# Altium PCB Tango V1.0.PcbDoc (part 1 of 3)
Units mm, origin at the board's own origin, x right, y up, seen from the top; angles counter-clockwise.
Board outline 150.29 x 75.25 mm, 4 copper layers (Top Layer, GND, VCC, Bottom Layer), stack 0.914 mm thick; 182 components, 171 nets, 697 pads, 545 vias.
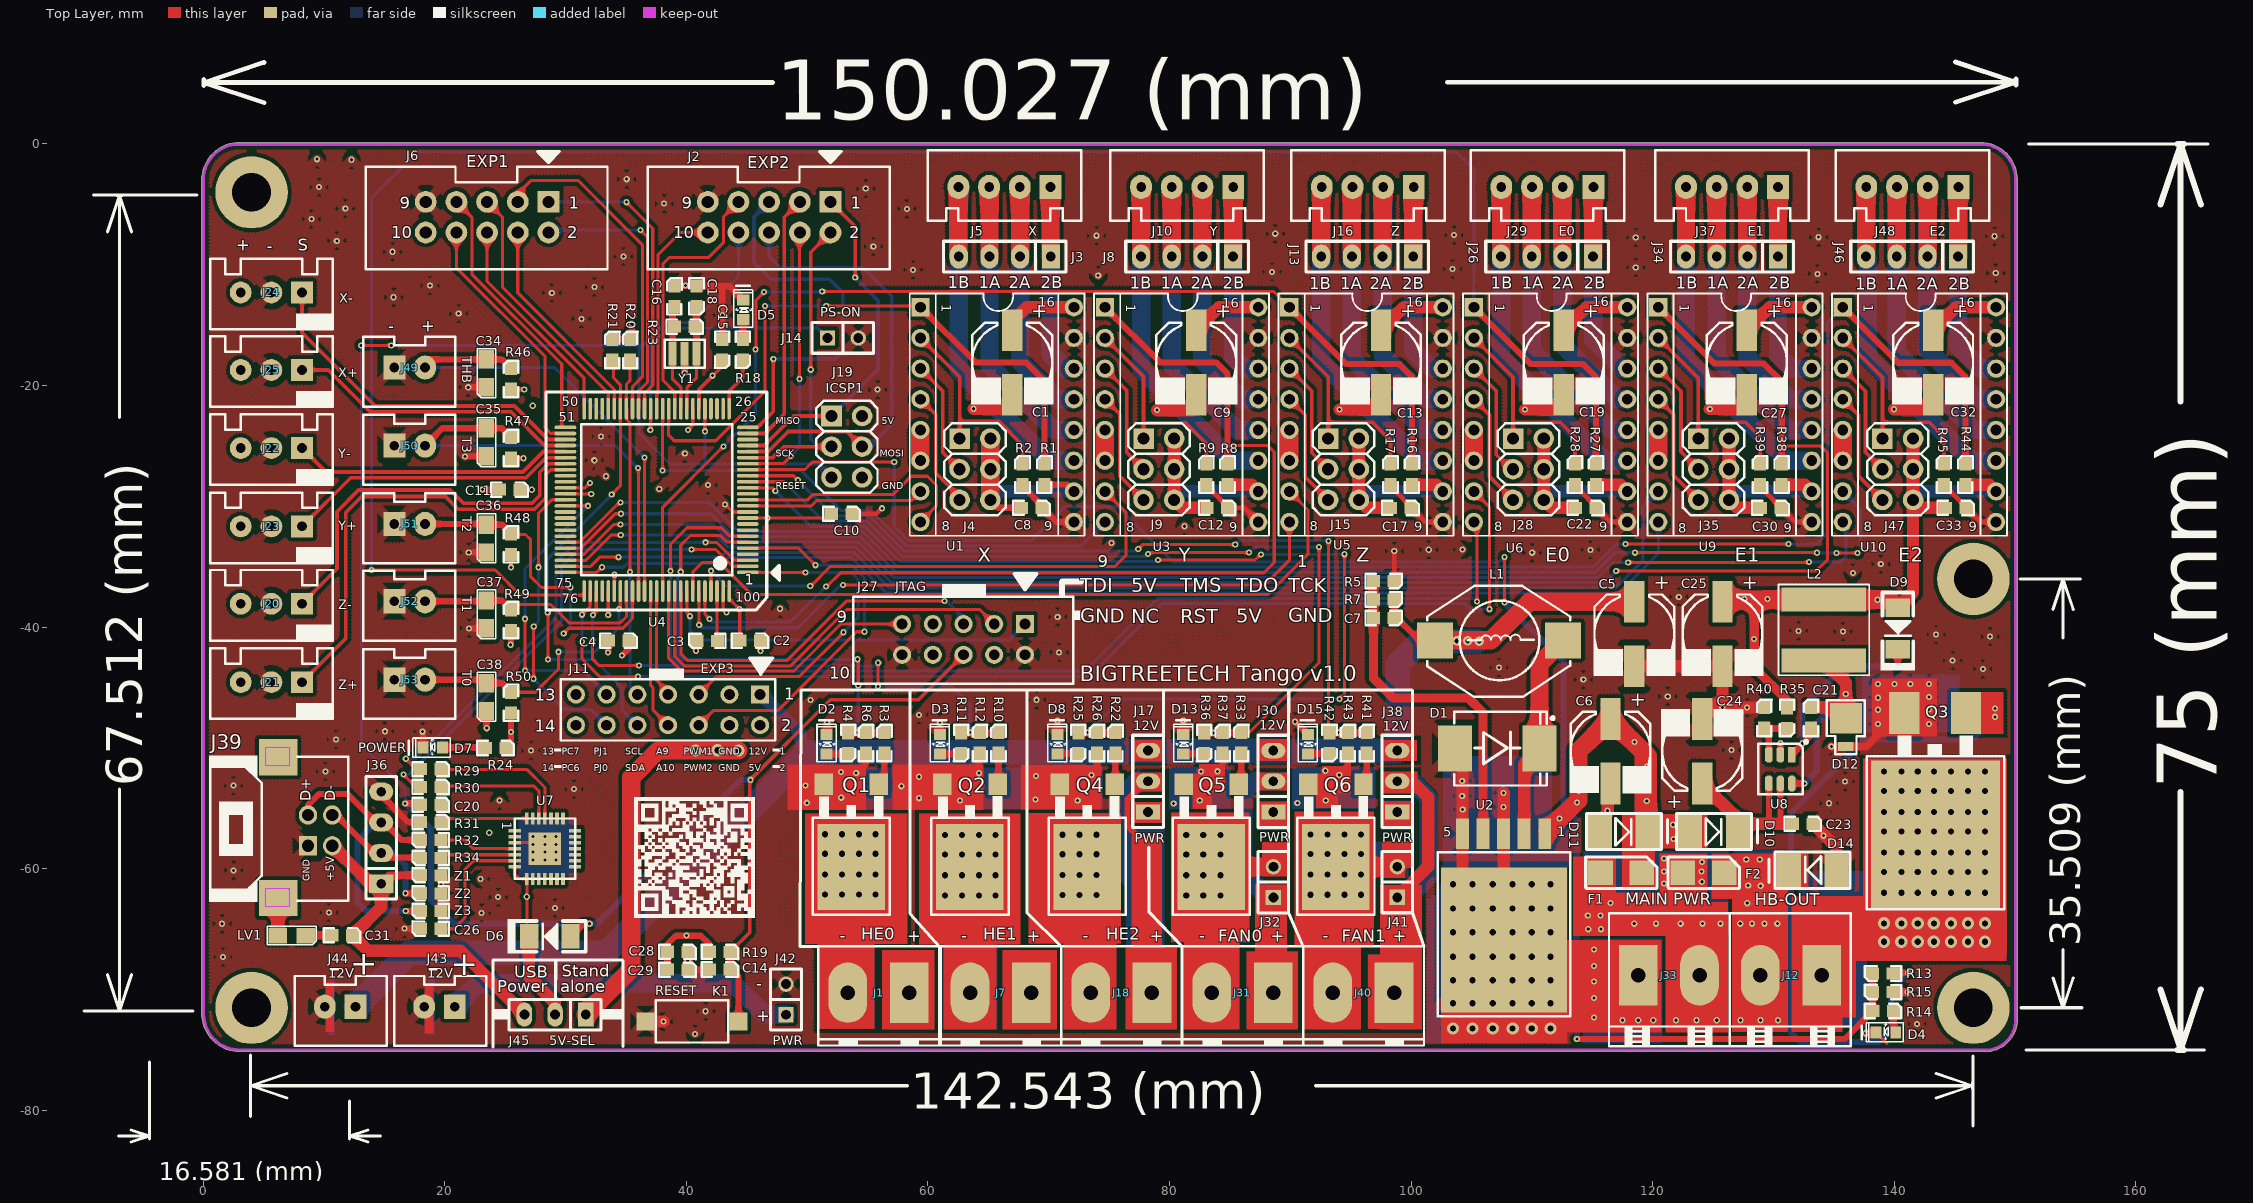
[diagram p0: Top Layer view]
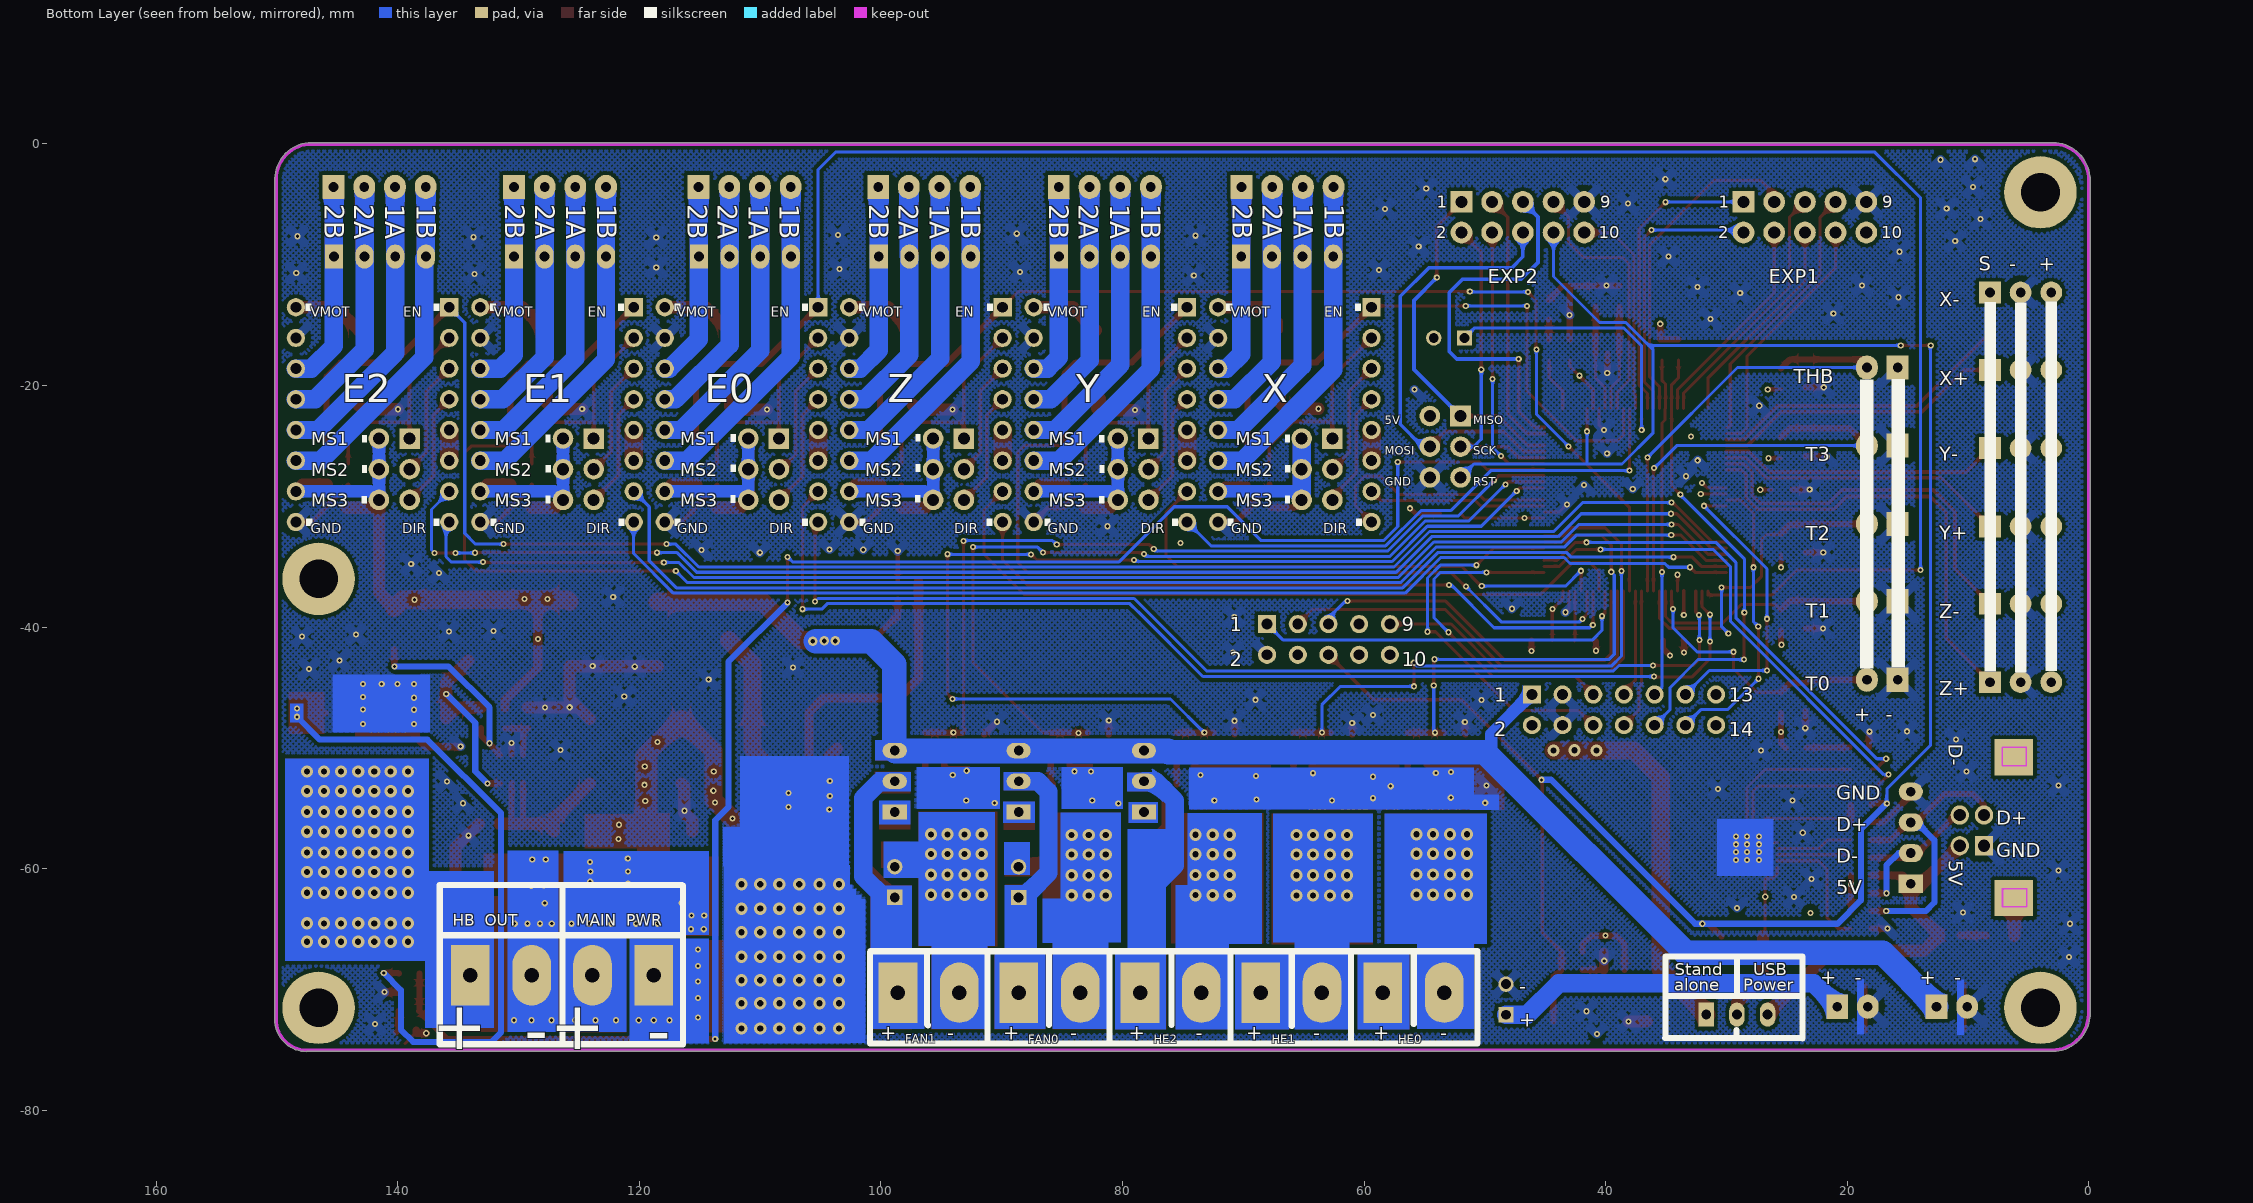
[diagram p1: Bottom Layer view, seen from below]
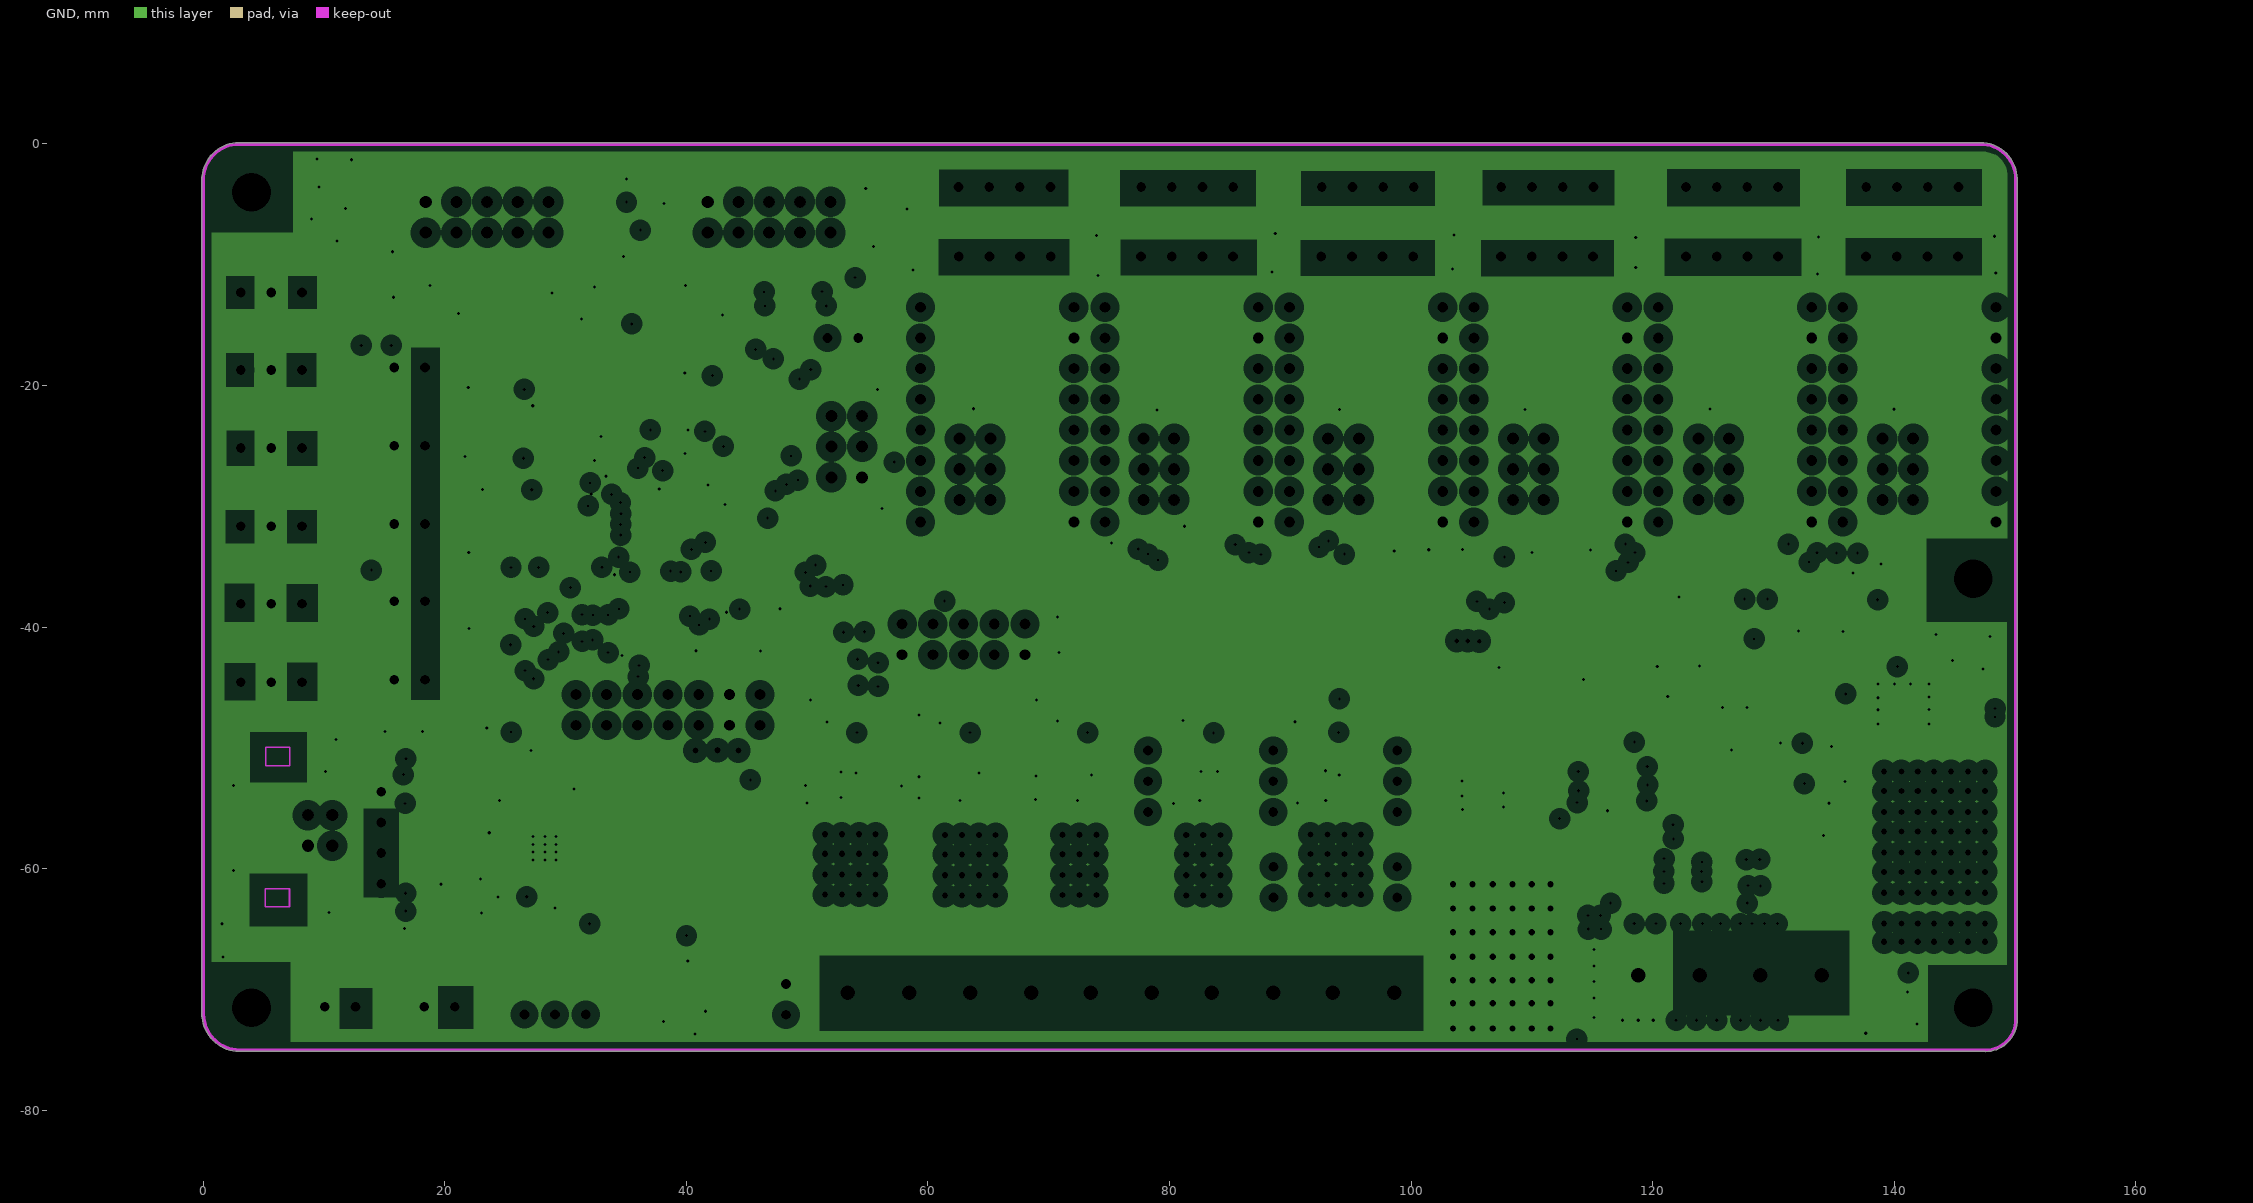
[diagram p2: GND, clearances drawn from the general rule]
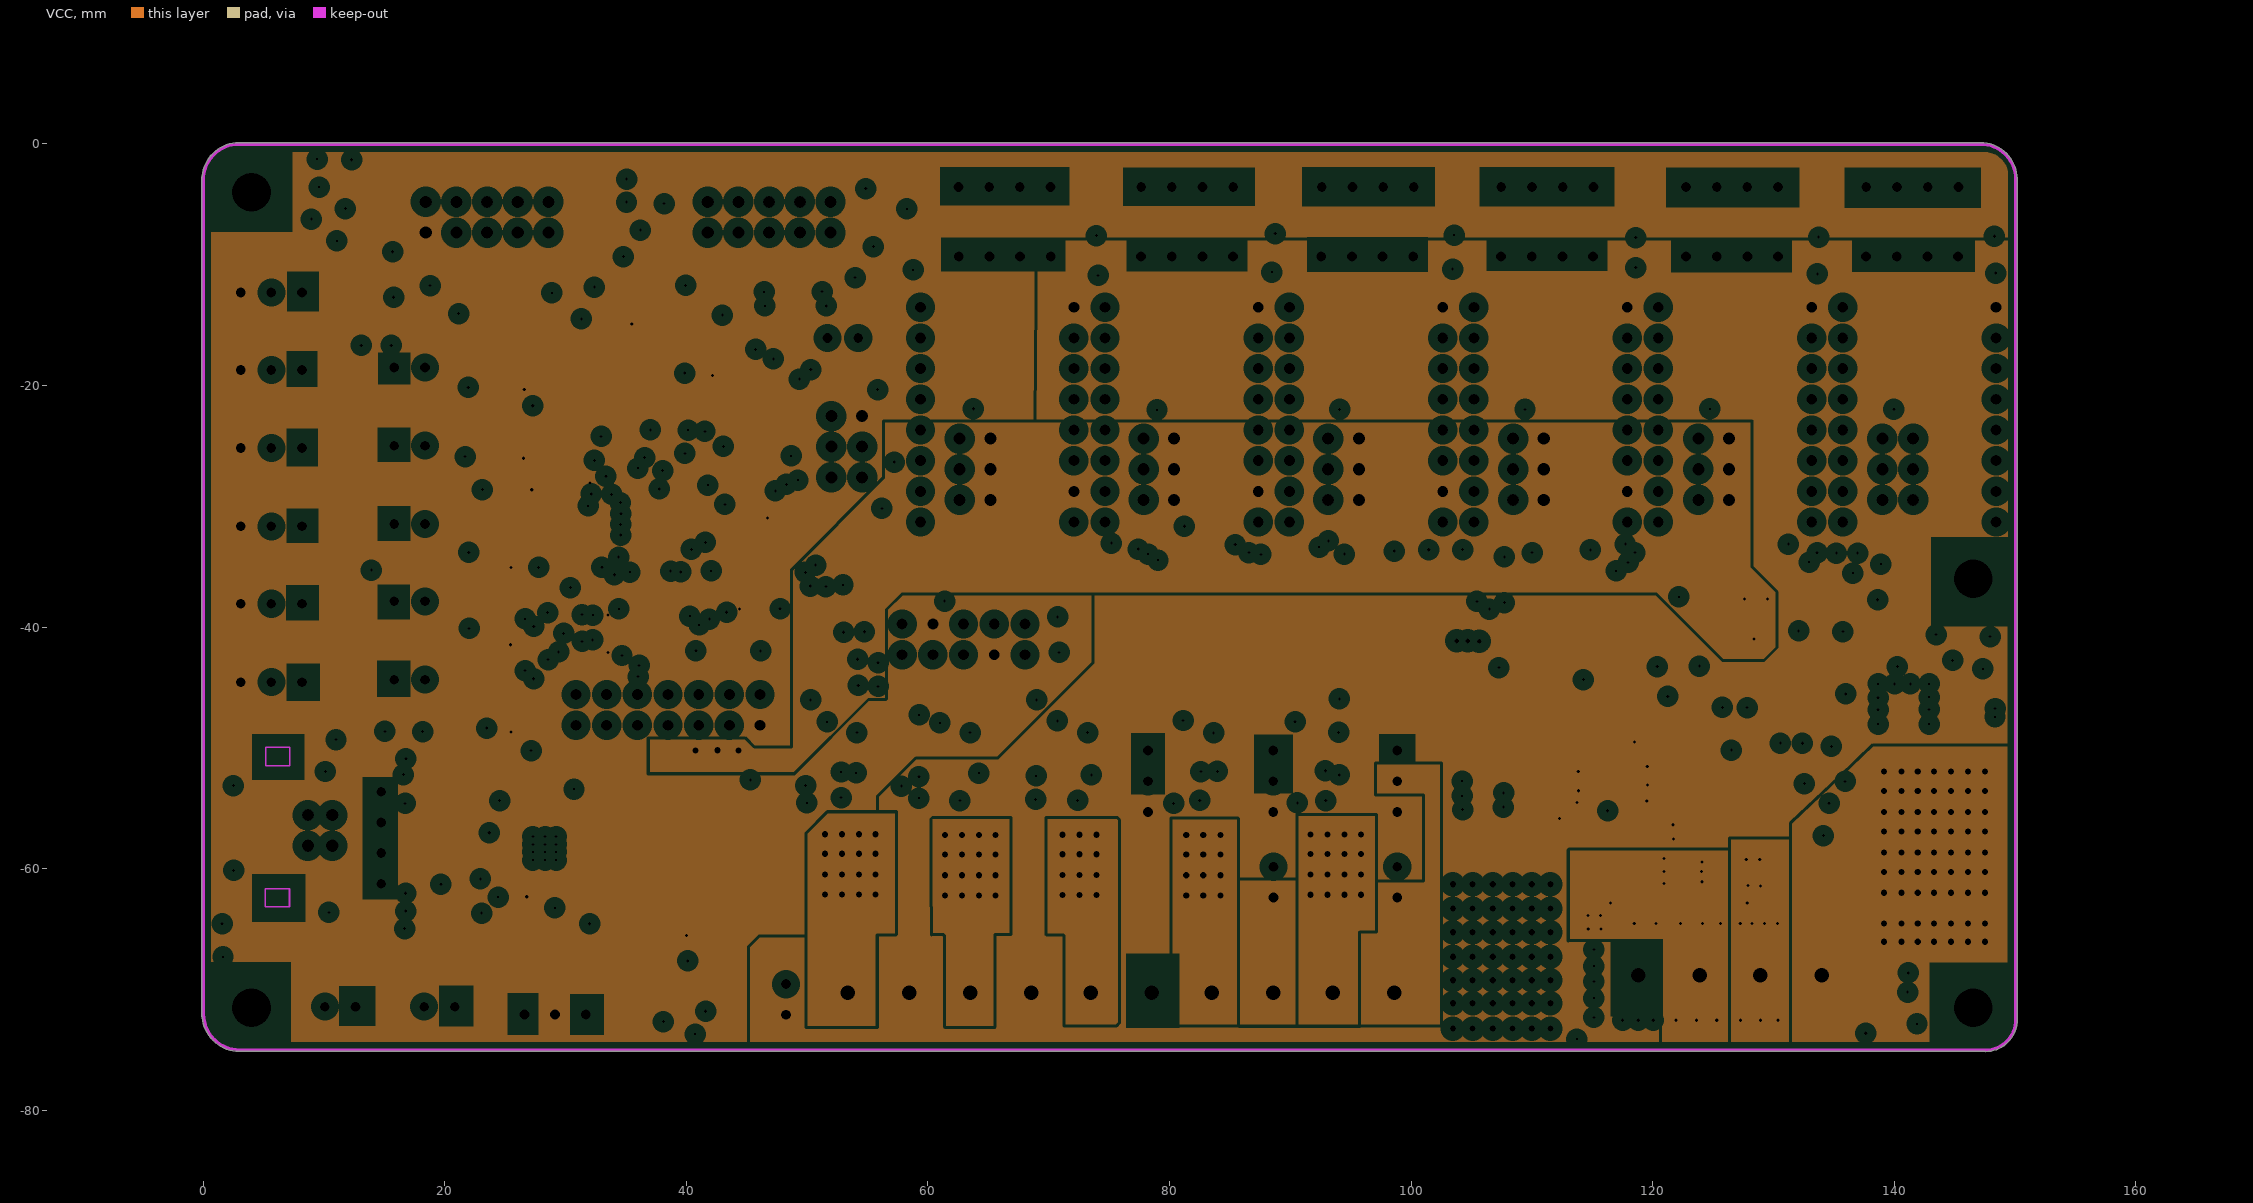
[diagram p3: VCC, clearances drawn from the general rule]

## Layer stack, top to bottom
Top Solder: solder mask 0.0102, Solder Resist, Dk 3.5
Top Layer: signal copper 0.0356
Dielectric 1: core 0.254, FR-4, Dk 4.2
GND: plane copper 0.0406, net GND
Dielectric 2: prepreg 0.254, FR-4, Dk 4.2
VCC: plane copper 0.0406, net (Multiple Nets)
Dielectric 3: core 0.254, FR-4, Dk 4.2
Bottom Layer: signal copper 0.0356
Bottom Solder: solder mask 0.0102, Solder Resist, Dk 3.5

## Board outline
-0.081,-72.309 ccw(c2.996,-72.028) 2.717,-75.105 ccw(c2.787,-74.999) 2.787,-75.126 147.498,-75.126 ccw(c147.543,-75.006) 147.543,-75.134 ccw(c147.529,-72.481) 150.182,-72.481 ccw(c147.529,-72.481) 150.182,-72.468 150.177,-2.912 ccw(c150.05,-2.912) 150.165,-2.858 ccw(c147.148,-2.912) 147.148,0.105 ccw(c147.148,-2.912) 147.132,0.105 147.148,0.105 3.023,0.105 ccw(c2.969,-0.01) 2.968,0.117 ccw(c2.984,-2.972) -0.09,-2.669 ccw(c0.021,-2.731) -0.106,-2.731 -0.106,-72.232 ccw(c0.021,-72.232)

## Design rules (kind name [scope] priority, off if disabled: settings)
Clearance [All] p1: gap=0.152 ignorepadtopadclearanceinfootprint=FALSE except(0: Arc-Hole Track-Hole SMDPad-Hole THPad-Hole Via-Hole Fill-Hole Poly-Hole Region-Hole Text-Hole)
PlaneClearance [All] p1: clearance=0.762
PlaneConnect [All] p1: planeconnectstyle=Relief reliefexpansion=0.508 reliefentries=4 reliefconductorwidth=0.762 reliefairgap=0.508
PolygonConnect [All] p1: connectstyle=Relief reliefconductorwidth=0.762 reliefentries=4 polygonreliefangle="45 Angle" airgapwidth=0.508
RoutingVias [All] p1: holewidth=0.508 width=0.508 viastyle="Through Hole" minholewidth=0.254 minwidth=0.254 maxholewidth=1.27 maxwidth=0.508
SolderMaskExpansion [All] p1: expansion=0.102
Width [All] p1: maxlimit=2.54 minlimit=0.254 preferedwidth=0.508
28 further rules are at their usual default settings.

## Components (designator, comment, footprint, x,y, rotation, side; value= is the part's Value field where it differs from the comment)
C1 "35V/100UF" 35V/100UF-2 66.93,-18.209 r0 top
C2 "0.1UF" 0603N#1 44.46,-41.076 r0 top
C3 "0.1UF" 0603N#1 42.532,-41.177 r180 top
C4 "0.1UF" 0603N#1 33.569,-41.076 r0 top
C5 "35V/100UF" 35V/100UF-2 118.441,-40.694 r0 top
C6 "35V/100UF" 35V/100UF-2 116.462,-50.389 r0 top
C7 "0.1UF" 0603N#2 96.926,-39.287 r0 top
C8 "0.1UF" 0603N#1 67.778,-30.08 r0 top
C9 "35V/100UF" 35V/100UF-2 82.165,-18.209 r0 top
C10 "0.1UF" 0603N#1 52.047,-30.574 r0 top
C11 "0.1UF" 0603N#1 24.549,-28.572 r0 top
C12 "0.1UF" 0603N#1 83.138,-30.08 r0 top
C13 "35V/100UF" 35V/100UF-2 97.47,-18.209 r0 top
C14 "22PF" 0603N#1 41.96,-68.299 r0 top
C15 "0.1UF" 0603N#1 43.008,-16.227 r270 top
C16 "22PF" 0603N#1 38.958,-13.412 r90 top
C17 "0.1UF" 0603N#1 98.315,-30.08 r0 top
C18 "22PF" 0603N#1 40.872,-11.798 r270 top
C19 "35V/100UF" 35V/100UF-2 112.587,-18.209 r0 top
C20 "0.1UF" 0603N#1 18.025,-54.66 r0 top
C21 "0.1UF" 0603N#1 133.068,-48.324 r90 top
C22 "0.1UF" 0603N#1 113.644,-30.08 r0 top
C23 "0.1UF" 0603N#1 131.614,-56.238 r0 top
C24 "50V/47UF" 35V/100UF-2 124.133,-50.15 r180 top
C25 "35V/100UF" 35V/100UF-2 125.736,-40.694 r0 top
C26 "0.1UF" 0603N#1 19.639,-65.011 r180 top
C27 "35V/100UF" 35V/100UF-2 127.753,-18.209 r0 top
C28 "0.1UF" 0603N#1 38.47,-66.832 r0 top
C29 "1UF/50V" 0603N#1 38.467,-68.319 r0 top
C30 "0.1UF" 0603N#1 128.949,-30.08 r0 top
C31 "0.1UF" 0603N#1 10.686,-65.465 r0 top
C32 "35V/100UF" 35V/100UF-2 143.176,-18.209 r0 top
C33 "0.1UF" 0603N#1 144.278,-30.08 r0 top
C34 "1UF" 0805N 23.489,-18.874 r90 top
C35 "1UF" 0805N 23.489,-24.58 r90 top
C36 "1UF" 0805N 23.489,-32.55 r90 top
C37 "1UF" 0805N 23.489,-38.835 r90 top
C38 "1UF" 0805N 23.489,-45.67 r90 top
D1 "MURS320" DO-214AB 107.395,-49.902 r270 top
D2 "LED" LED-0603 51.6,-50.5 r90 top
D3 "LED" LED-0603 60.977,-50.5 r90 top
D4 "LED" LED-0603 140.123,-73.541 r180 top
D5 "LED" LED-0603 44.706,-14.544 r90 top
D6 "IN4148" 1206-DIDEO 28.32,-65.566 r180 top
D7 "POWER" LED-0603 19.81,-49.964 r180 top
D8 "LED" LED-0603 70.713,-50.5 r90 top
D9 "IN4148" 1206-DIDEO 140.263,-40.484 r270 top
D10 "M7" DO-214AC 125.039,-56.931 r0 top
D11 "M7" DO-214AC 117.573,-56.931 r0 top
D12 "MBRM140" MBRM140 135.78,-48.564 r90 top
D13 "LED" LED-0603 81.133,-50.5 r90 top
D14 "M7" DO-214AC 133.273,-60.115 r180 top
D15 "LED" LED-0603 91.444,-50.5 r90 top
F1 "5A/32V" 1206 117.605,-60.454 r180 top
F2 "30A/24V" 1206 124.429,-60.454 r180 top
J1 "HE0" 5.08-2-B 58.449,-70.259 r180 top locked
J2 "EXP2" IDC10-2.54 36.816,-10.377 r0 top locked
J3 "SIP4" SIP4 62.548,-9.324 r180 top
J4 "SW-DIP-3A" "Header 3X2-B" 63.825,-27.096 r270 top
J5 "X" 2.54-4P-2 70.139,-3.555 r270 top locked
J6 "EXP1" IDC10-2.54 13.465,-10.377 r0 top locked
J7 "HE1" 5.08-2-B 68.559,-70.259 r180 top locked
J8 "SIP4" SIP4 77.641,-9.324 r180 top
J9 "SW-DIP-3A" "Header 3X2-B" 79.05,-27.096 r270 top
J10 "Y" 2.54-4P-2 85.261,-3.555 r270 top locked
J11 "EXP3" "Header 7X2" 40.344,-45.247 r180 top locked
J12 "HB-OUT" 5.08-2 133.986,-68.82 r180 top locked
J13 "SIP4" SIP4 92.554,-9.324 r180 top
J14 "PS-ON" SIP2 52.395,-16.032 r0 top
J15 "SW-DIP-3A" "Header 3X2-B" 94.336,-27.096 r270 top